# KiCad board Left.kicad_pcb (continued)
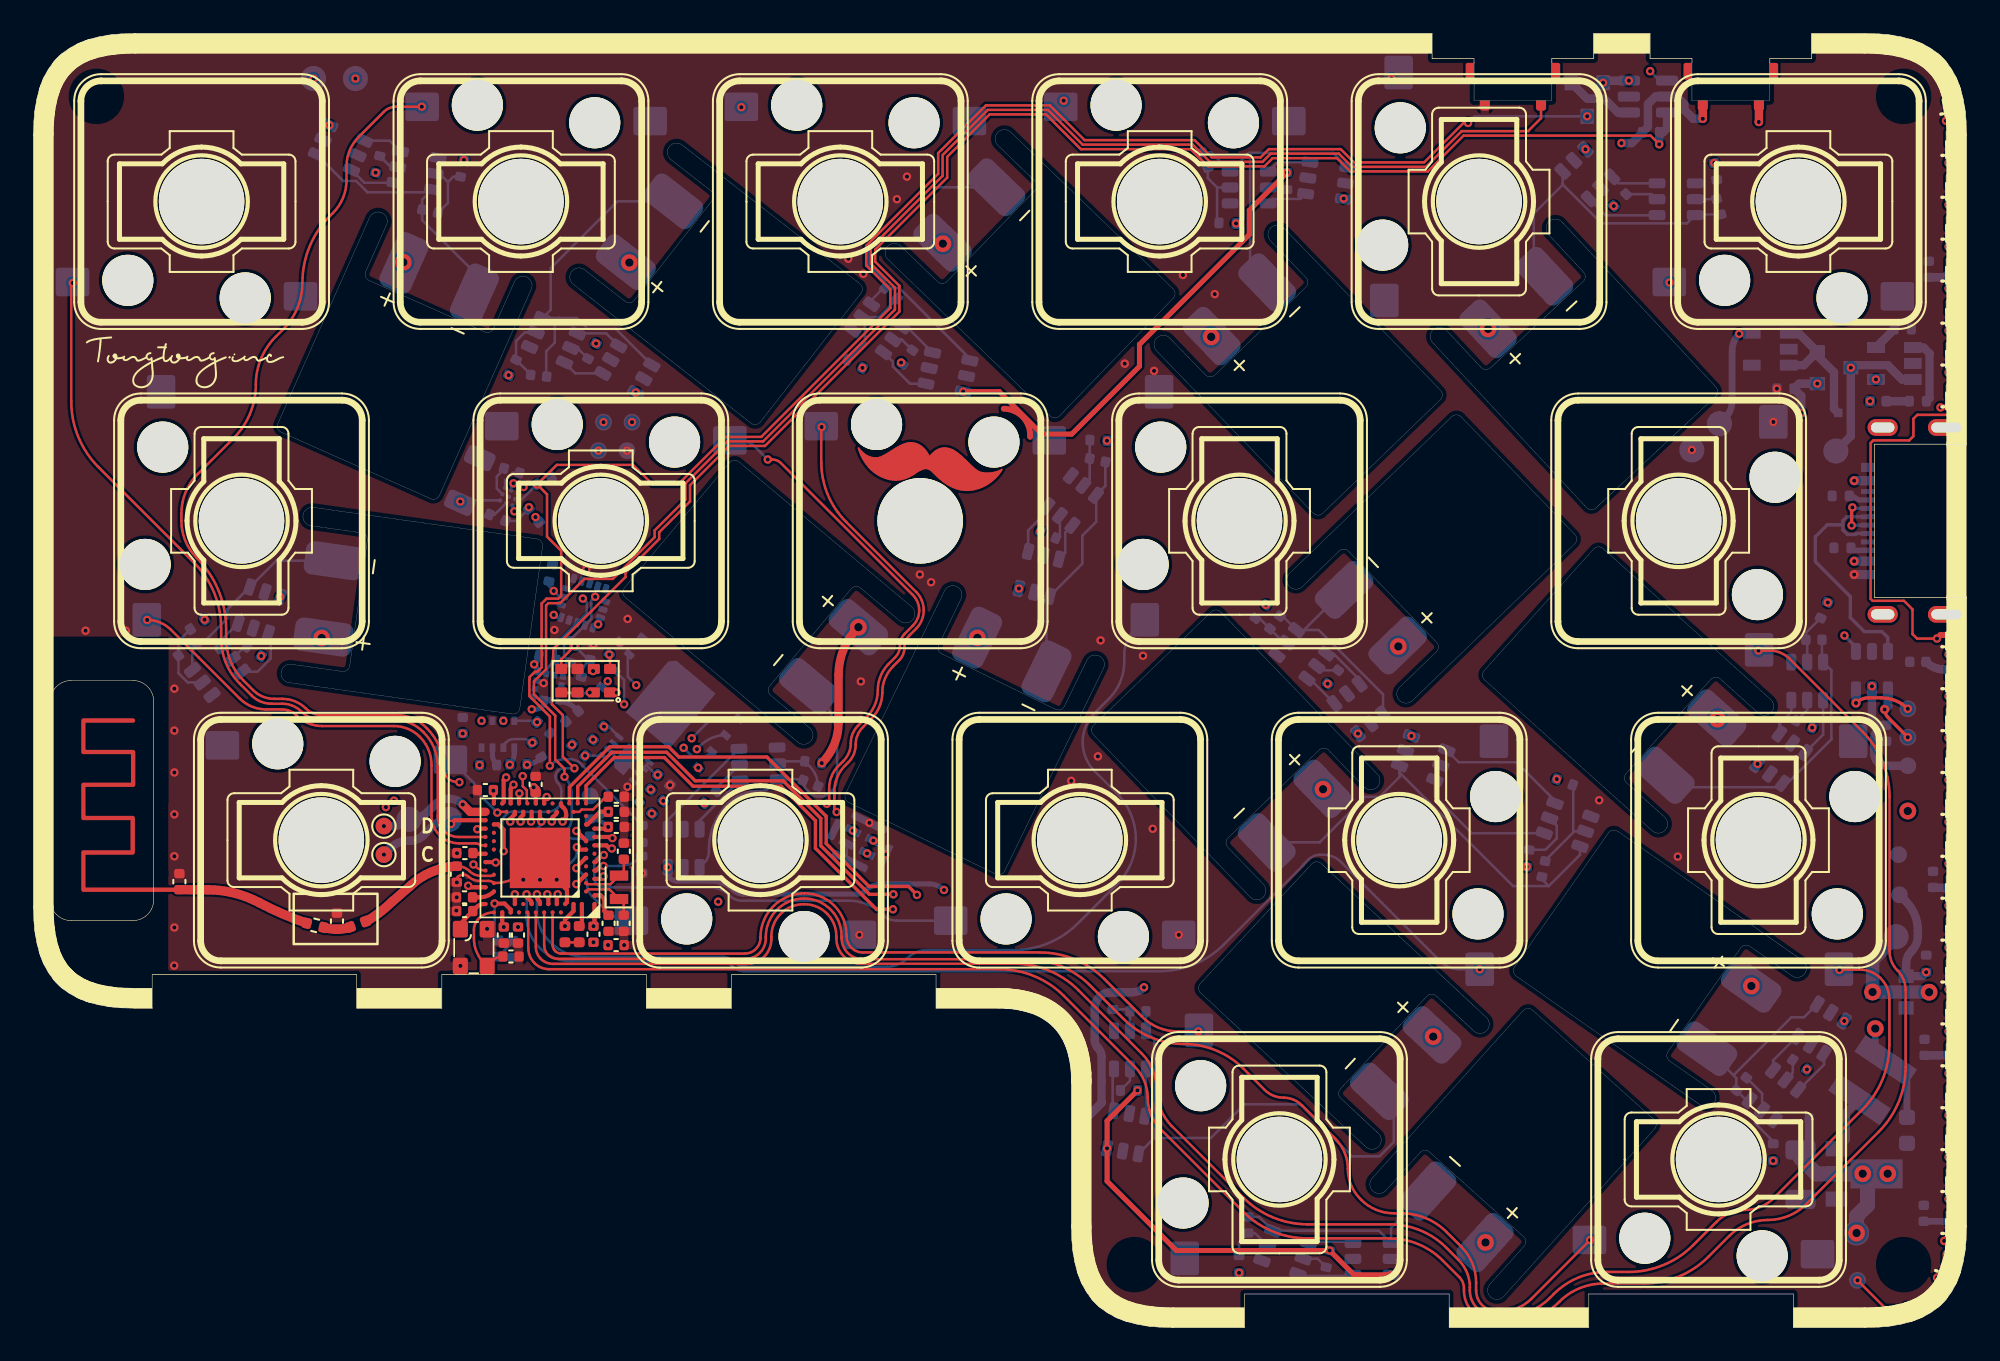
[diagram p0: board, top side]
## Routing (per net, layer and track width the routed paths; a pad name or vN(x,y) marks a point on that pad's centre or on a via; arc(x,y) is an arc through that point) (continued)
/MCU/D+: length 135
  Top w0.2: U30.AD6 31.96,32.23 34.37,34.64 37.89,34.64 38.5,34.03 43.75,34.03 47.28,30.5 47.28,28.87 49.84,26.31 52.19,26.31 v2(52.7,25.81) ; v2(111.8,35.21) 110.62,36.4 arc(110.47,36.61) v3(110.42,36.87)
  In1.Cu w0.2: v2(52.7,25.81) 55.98,22.53 arc(56.63,22.1) 57.39,21.94 57.85,21.94 arc(60.37,21.44) 62.51,20.01 62.7,19.83 arc(64.19,17.59) 64.72,14.94 arc(64.94,13.84) 65.56,12.91 66.68,11.8 arc(67.47,11.27) 68.4,11.08 arc(69.31,10.9) 70.07,10.39 71.08,9.38 arc(71.6,8.61) 71.78,7.69 arc(71.85,7.33) 72.06,7.03 72.08,7 arc(72.67,6.61) 73.36,6.47 75.38,6.47 arc(76.56,6.71) 77.57,7.38 88.59,19.23 arc(88.82,19.39) 89.1,19.44 89.15,19.44 arc(89.5,19.37) 89.8,19.17 89.85,19.12 97.24,12.47 arc(97.41,12.22) 97.47,11.92 97.47,9.1 arc(97.58,8.57) 97.88,8.11 98.72,7.27 arc(99.15,6.98) 99.66,6.88 101.51,6.88 arc(103.04,7.19) 104.34,8.06 108.76,12.48 arc(110.13,14.52) 110.61,16.93 110.61,32.34 arc(110.92,33.9) v2(111.8,35.21)
  Bottom w0.54: U28.4 110.61,37.06 v3(110.42,36.87)
/MCU/D-: length 129.6
  Top w0.2: v2(51.29,25.84) 49.86,25.84 46.96,28.74 46.96,30.37 44.72,32.61 39.47,32.61 37.76,34.32 34.5,34.32 32.46,32.28 U30.AD4 ; v3(108.71,37.26) arc(109.05,37.48) 109.45,37.56 110.23,37.56 arc(111.08,37.39) v2(111.8,36.91)
  In1.Cu w0.2: v2(111.8,36.91) 111.88,36.84 arc(112.29,36.22) 112.43,35.5 112.43,35.48 arc(112.34,35.02) 112.08,34.63 arc(111.27,33.42) 110.98,31.98 110.98,14.8 arc(110.56,12.69) 109.36,10.89 106.68,8.21 arc(104.75,6.93) 102.48,6.47 arc(101.09,6.2) 99.92,5.41 98.83,4.32 arc(97.68,3.55) 96.32,3.28 92.56,3.28 arc(91.79,3.13) 91.14,2.69 arc(89.58,1.65) 87.74,1.28 86.58,1.28 arc(85.93,1.55) 85.66,2.2 arc(85.55,2.77) 85.23,3.24 85,3.47 arc(83.13,4.72) 80.92,5.16 75.36,5.16 arc(73.36,5.56) 71.67,6.69 71.56,6.8 arc(71.35,7.11) 71.28,7.48 arc(71.11,8.36) 70.61,9.11 70.02,9.69 arc(69.31,10.17) 68.47,10.33 arc(67.34,10.56) 66.39,11.2 65.17,12.42 arc(64.39,13.58) 64.12,14.94 arc(63.65,17.3) 62.32,19.3 61.96,19.65 arc(60.15,20.86) 58.02,21.28 57.4,21.28 arc(56.32,21.5) 55.4,22.11 51.94,25.57 arc(51.64,25.77) v2(51.29,25.84)
  Bottom w0.54: U28.6 v3(108.71,37.26)
/MCU/PDM_CLK: length 21.1
  Top w0.25: U30.H2 32.94,27.01 32.38,26.46 v2(32.38,26.45)
  In1.Cu w0.15: v2(48.88,29.64) 48.88,29.08 arc(48.66,27.99) 48.05,27.07 47.7,26.72 arc(46.98,26.24) 46.13,26.07 arc(45.04,25.86) 44.12,25.24 43.89,25.01 arc(43.66,24.86) 43.38,24.8 43.09,24.8 arc(42.7,24.88) 42.37,25.1 41.63,25.84 arc(40.79,26.41) 39.79,26.6 38.79,26.6 arc(37.91,26.43) 37.17,25.93 arc(36.7,25.62) 36.16,25.51 34.65,25.51 arc(33.42,25.76) v2(32.38,26.45)
/MCU/PDM_DAT: length 20.7
  Top w0.25: U30.G1 33.85,26.76 v2(34,26.91)
  In1.Cu w0.15: v2(50.09,29.05) 50.09,29.06 49.16,29.99 arc(49.03,30.07) 48.88,30.1 48.71,30.1 arc(48.27,29.92) 48.09,29.48 48.09,29.46 arc(47.85,28.24) 47.16,27.21 47.03,27.08 arc(46.55,26.77) 45.99,26.65 45.9,26.65 arc(44.87,26.45) 44.01,25.87 43.7,25.56 arc(43.48,25.42) 43.22,25.36 43.11,25.36 arc(42.88,25.41) 42.68,25.54 42.36,25.87 arc(41.04,26.74) 39.49,27.05 38.85,27.05 arc(37.83,26.85) 36.97,26.27 arc(36.63,26.04) 36.22,25.96 35.65,25.96 arc(35,26.09) 34.46,26.46 v2(34,26.91)
/MCU/SWC: length 6.7
  Top w0.25: U30.AA24 25.12,30.26 v2(24.9,30.04)
  Bottom w0.5: v2(20.9,28.21) 21.28,28.59 arc(21.78,28.93) 22.37,29.04 22.49,29.04 arc(22.9,29.12) 23.24,29.35 23.78,29.89 arc(24.25,30.2) REF**#6.1
/MCU/SWD: length 6.9
  Top w0.5: U30.AC24 26.04,30.76 v2(25.6,31.2)
  Bottom w0.5: 25.55,31.25 v2(25.6,31.2) 25.6,31.21 arc(25.23,31.46) 24.79,31.54 arc(24.33,31.45) 23.94,31.19 23.53,30.78 arc(23.01,30.43) REF**#9.1 arc(21.96,30.02) 21.43,29.91 v2(20.9,29.91)
B1-: length 16.9
  Bottom w0.15: 91.21,68.2 Q3.1 ; 91.21,68.2 93.54,65.87 98.62,65.87 Q11.6 ; 91.21,68.2 91.21,68.17 89.49,66.45 89.49,63.35 ; C1.2 99.16,66.4
B2-: length 14.2
  Bottom w0.15: Q4.1 18.48,68.4 19.25,68.4 19.93,67.72 23.62,67.72 ; Q12.6 23.18,67.29 C2.2 23.18,66.06 26.3,62.95
B3-: length 19.8
  Bottom w0.15: B3.1 53.55,68.03 49.79,64.26 49.79,63.41 50.78,62.42 C3.2 51.65,62.01 55.85,57.81 ; 49.98,61.3 50.77,62.09
B4-: length 28
  Bottom w0.15: 66.86,11.31 70.22,11.31 72.23,13.31 75.54,13.31 78.64,10.21 80.29,10.21 81.14,11.06 81.14,13.23 ; 66.86,11.31 66.86,17.19 Q14.6 66.35,18.85 ; 66.86,11.31 Q6.1
B5-: length 12.5
  Bottom w0.15: Q7.1 80.5,37.77 76.66,41.61 Q15.6 74.51,42.44 ; 75.79,41.61 B5.1
B6-: length 16.8
  Bottom w0.15: 72.57,63.36 72.57,69.94 72.71,70.08 ; 72.71,70.08 77.52,70.08 Q8.1 ; 72.71,70.08 72.49,70.08 Q16.6 70.23,70.1 C6.2
B7-: length 15.9
  Bottom w0.15: C7.2 106.68,39.77 ; 104.61,32.46 107.24,35.1 107.24,39.21 Q17.6 ; 104.11,32.23 98.04,32.23
B8-: length 25.7
  Bottom w0.15: Q10.1 81.48,32.84 80.3,31.66 79.44,31.66 76.71,28.94 B8.1 ; 90.38,26.33 92.24,28.2 Q18.6 ; 90.38,26.33 88.26,26.33 81.48,33.11 ; 90.38,26.33 89.97,26.74
B9-: length 13.7
  Bottom w0.15: C9.2 63.94,50.22 Q23.6 ; Q19.1 62.56,45.57 62.56,47.24 63.39,48.07 63.39,49.63 ; B9.1 60.42,43.43
B10-: length 10.8
  Bottom w0.15: 101.37,15.08 101.57,14.88 C10.2 102.16,13.56 ; 101.37,15.08 B10.1 ; 101.37,15.08 101.43,15.08 104.85,18.5 105.61,18.5 Q20.1
B11-: length 13.2
  Bottom w0.15: B11.1 80.98,5.96 Q21.1 80.25,5.78 Q25.6 73.11,6.59 C11.2
B12-: length 23.6
  Bottom w0.15: 30.58,56.76 30.58,58.24 31.09,58.75 31.09,59.98 31.34,60.23 ; 31.34,60.23 32.4,60.23 33.05,59.58 34.73,59.58 Q22.1 ; 31.34,60.23 Q26.6 30.85,60.72 30.85,63.2 34.84,67.19 B12.1
B13-: length 12.3
  Bottom w0.15: 12.9,44.18 11.56,42.84 11.56,42.3 9.91,40.65 C13.2 ; Q30.6 9.48,40.6 ; B13.1 14.48,45.75 Q27.1
B14-: length 18.4
  Bottom w0.15: B14.1 46.83,37.67 arc(47.65,36.45) 47.93,35.02 47.93,32.75 arc(47.85,32.36) 47.63,32.02 47.49,31.88 arc(47.27,31.73) 47.01,31.68 46.77,31.68 arc(46.54,31.73) 46.34,31.86 46.15,32.05 arc(45.97,32.32) C14.2 ; Q28.1 40.03,27.76 arc(40.22,28.04) 40.29,28.38 40.29,28.54 arc(40.58,30.01) 41.42,31.26 arc(42.24,31.81) 43.21,32 43.36,32 arc(43.69,32.07) 43.97,32.26 Q31.6 45.84,32.7
B+: length 27.9
  Top w0.5: v1(49.2,41.78) arc(48.33,40.47) 48.02,38.93 48.02,36.09 arc(47.76,34.78) v2(47.02,33.67)
  In2.Cu w0.5: 100.7,41.77 100.74,41.73 103.36,41.73 arc(105.35,42.13) v2(107.03,43.25)
  Bottom w0.5: v2(62.51,12.2) 63.71,13.4 63.71,16.16 arc(63.66,16.43) 63.5,16.66 arc(63.35,16.89) 63.3,17.15 63.3,19.06 arc(63.57,19.72) 64.23,19.99 R14.1 65.52,19.99 arc(65.91,20.07) v2(66.24,20.29) ; 93.75,74.39 v2(95.16,74.39)
  vias: v1(17.19,41.13) v1(22.06,63.55) v1(35.54,63.53) v1(54.24,64.66) v1(56.3,41.14) v1(70.25,59.1) v1(76.92,32.11) v1(81.41,40.63) v1(83.49,17.35) v1(86.61,5.07) v1(86.76,59.58) v1(100.45,36.29) v1(102.47,20.37) v2(10.2,42.23) v2(19.2,74.51) v2(25.68,69.65) v2(28.34,56.82) v2(49.45,57.25) v2(64.03,52.91) v2(71.73,65.87) v2(71.91,3.26) v2(73.51,43.12) v2(90.86,32.72) v2(93.62,74.26) v2(100.26,69.48) v2(103.77,9.94)
CC1: length 1.2
  Bottom w0.3: J1.A5 108.94,49.37 arc(108.83,49.39) 108.74,49.45 arc(108.56,49.57) 108.35,49.61 R33.1
CC2: length 1.1
  Bottom w0.3: R34.1 108.55,46.37 J1.B5
P0.02: length 80.4
  Top w0.15: U30.A12 30.46,22.8 arc(30.52,22.49) 30.69,22.23 arc(30.96,22.05) 31.26,21.99 42.46,21.99 arc(43.32,22.35) 43.68,23.21 43.68,23.31 arc(44.35,24.93) 45.96,25.59 arc(47.54,24.94) 48.2,23.35 48.2,23.24 arc(48.57,22.35) 49.47,21.97 59.21,21.97 arc(61.29,21.56) 63.05,20.38 65.04,18.39 arc(66.68,17.3) 68.61,16.91 arc(70.54,16.53) 72.18,15.44 73.44,14.17 arc(73.95,13.83) 74.55,13.71 arc(75.15,13.59) 75.66,13.25 77.66,11.26 arc(78.21,10.43) 78.4,9.46 arc(78.59,8.49) 79.14,7.67 79.2,7.61 arc(80.09,7.02) 81.13,6.81 81.59,6.81 arc(83.05,6.52) 84.29,5.69 85.17,4.82 arc(85.82,3.84) 86.05,2.68 86.05,2.21 arc(86.41,1.33) 87.28,0.97 87.56,0.97 arc(88.53,1.17) 89.35,1.71 v2(92.85,5.21)
P0.03: length 57.9
  Top w0.25: U30.B13 30.21,25.34 arc(30.2,25.41) 30.16,25.47 30.11,25.51 arc(30.05,25.61) 30.03,25.72 v2(30.03,25.84)
  Bottom w0.15: K10.1 65.67,41.61 arc(65.22,40.93) 65.06,40.13 65.06,39.71 arc(64.82,38.52) 64.15,37.51 63.3,36.66 arc(62.77,35.87) 62.58,34.92 arc(62.77,33.98) 63.3,33.18 64.63,31.85 arc(65.46,30.61) 65.75,29.15 arc(65.46,27.68) 64.63,26.44 62.29,24.11 arc(60.53,22.93) 58.45,22.51 53.3,22.51 arc(52.65,22.39) 52.11,22.02 arc(51.56,21.65) 50.91,21.53 42.5,21.53 arc(42.12,21.6) 41.79,21.82 arc(41.47,22.04) 41.08,22.11 32.88,22.11 arc(31.79,22.33) 30.86,22.95 30.75,23.06 arc(30.22,23.86) 30.03,24.82 v2(30.03,25.84)
P0.06: length 24.5
  Top w0.25: v2(34.02,28.19) 33.97,28.19 arc(33.93,28.18) 33.89,28.15 33.51,27.78 arc(33.5,27.77) 33.48,27.76 U30.L1
  Bottom w0.15: K14.2 51.5,24.28 arc(51.02,24.37) 50.61,24.64 arc(49.7,25.25) 48.63,25.46 42.26,25.46 arc(41.85,25.54) 41.51,25.77 arc(40.98,26.13) 40.35,26.25 34.03,26.25 arc(33.62,26.42) 33.45,26.83 33.45,27.62 arc(33.61,28.02) 34.01,28.19 v2(34.02,28.19)
P0.07: length 5.7
  Top w0.25: v2(32.38,27.4) 32.38,27.43 arc(32.38,27.45) 32.4,27.47 32.93,28.01 arc(32.94,28.01) 32.95,28.01 U30.M2
  Bottom w0.15: v2(32.38,27.4) 32.79,26.99 arc(32.97,26.73) 33.03,26.41 arc(33.11,26.03) 33.32,25.71 34.12,24.91 arc(34.83,24.44) K13.2
P0.09: length 84.8
  Top w0.25: U30.L24 27.54,27.76 arc(27.55,27.76) 27.56,27.75 v2(27.57,27.74)
  In1.Cu w0.15: v2(42.22,72.8) 42.22,72.92 arc(42.2,73.03) 42.14,73.13 40.96,74.3 arc(39.57,75.23) 37.93,75.55 26.83,75.55 arc(24.74,75.14) 22.98,73.96 19.55,70.53 arc(18.67,69.21) 18.36,67.65 arc(18.05,66.1) 17.17,64.78 16.4,64.02 arc(15.64,62.87) 15.37,61.51 arc(15.08,60.06) 14.26,58.83 13.4,57.97 arc(12.31,56.34) 11.93,54.42 11.93,54.04 arc(11.6,52.37) 10.65,50.96 arc(9.71,49.54) 9.38,47.88 9.38,43.64 arc(9.79,41.56) 10.97,39.79 12.22,38.55 arc(13.28,37.84) 14.52,37.59 15.26,37.59 arc(15.83,37.48) 16.31,37.16 arc(16.7,36.9) 17.16,36.8 21.98,36.8 arc(22.87,36.63) 23.62,36.12 23.65,36.09 arc(24.18,35.31) 24.36,34.38 24.36,34.13 24.36,29.83 arc(24.41,29.56) 24.57,29.32 arc(24.8,29.17) 25.08,29.11 25.49,29.11 arc(26.15,28.98) 26.7,28.61 v2(27.57,27.74)
P0.10: length 103.9
  Top w0.15: v2(26.24,27.62) 26.35,27.52 arc(26.63,27.33) U30.J24
  In1.Cu w0.15: v2(26.24,27.62) 26.23,27.64 26.23,28.29 26.18,28.45 26.1,28.6 26.05,28.66 25.98,28.72 25.85,28.79 25.83,28.8 25.6,28.84 25.37,28.84 25.37,28.84 25.2,28.84 25.19,28.84 24.95,28.84 24.7,28.91 24.47,29.04 24.46,29.05 24.45,29.05 24.38,29.13 24.3,29.2 24.3,29.21 24.28,29.23 24.16,29.45 24.09,29.7 24.08,29.94 24.09,29.95 24.09,34.32 24.09,34.47 24.05,34.76 23.97,35.04 23.86,35.32 23.71,35.57 23.53,35.81 23.43,35.91 23.34,36.01 23.13,36.17 22.9,36.3 22.65,36.4 22.4,36.47 22.14,36.5 22.01,36.5 17.13,36.5 17.02,36.51 16.82,36.54 16.62,36.6 16.44,36.7 16.27,36.82 16.11,36.97 15.92,37.11 15.72,37.21 15.49,37.28 15.26,37.32 15.15,37.32 14.41,37.32 14.23,37.33 13.87,37.37 13.51,37.45 13.16,37.57 12.83,37.73 12.52,37.92 12.24,38.15 12.11,38.28 10.7,39.68 10.54,39.85 10.23,40.22 9.96,40.6 9.72,41.02 9.52,41.45 9.36,41.89 9.24,42.35 9.15,42.82 9.11,43.29 9.11,43.53 9.11,47.99 9.11,48.2 9.15,48.63 9.24,49.05 9.36,49.46 9.52,49.85 9.73,50.23 9.96,50.59 10.23,50.92 10.53,51.22 10.8,51.55 11.04,51.91 11.24,52.28 11.41,52.68 11.53,53.09 11.61,53.51 11.66,53.93 11.66,54.15 11.66,54.53 11.66,54.76 11.7,55.22 11.78,55.68 11.9,56.12 12.06,56.55 12.25,56.97 12.48,57.37 12.75,57.75 13.05,58.1 13.21,58.27 14.06,59.12 14.2,59.27 14.45,59.58 14.66,59.91 14.83,60.27 14.96,60.65 15.05,61.03 15.1,61.43 15.1,61.82 15.15,62.22 15.23,62.61 15.37,62.98 15.54,63.34 15.75,63.67 16,63.99 16.14,64.13 16.9,64.89 17.04,65.03 17.29,65.34 17.51,65.67 17.7,66.03 17.85,66.4 17.97,66.78 18.05,67.17 18.09,67.57 18.09,67.77 18.09,67.97 18.13,68.36 18.21,68.76 18.32,69.14 18.48,69.51 18.67,69.86 18.89,70.19 19.14,70.5 19.28,70.64 19.28,70.65 22.85,74.22 23.02,74.38 23.39,74.7 23.79,74.98 24.21,75.22 24.65,75.42 25.11,75.59 25.58,75.71 26.05,75.8 26.54,75.84 26.78,75.84 55.05,75.84 55.35,75.84 55.94,75.8 56.53,75.73 57.11,75.61 57.68,75.46 58.24,75.27 58.79,75.04 59.32,74.78 59.83,74.48 60.32,74.15 60.79,73.79 61.24,73.4 v2(61.45,73.19)
P0.13: length 153.1
  Top w0.25: U30.AD8 31.46,31.21 arc(31.47,31.17) 31.5,31.13 31.62,31.01 arc(31.73,30.84) 31.77,30.63 31.77,30.54 arc(31.74,30.4) 31.67,30.29 v2(31.56,30.18)
  In1.Cu w0.15: v2(21.5,31.43) 21.96,31.43 arc(22.38,31.52) 22.74,31.76 22.99,32 arc(23.32,32.5) 23.44,33.1 23.44,34.45 arc(23.01,35.49) 21.97,35.91 17.02,35.91 arc(16.45,36.03) 15.97,36.35 arc(15.49,36.67) 14.92,36.78 14.19,36.78 arc(12.94,37.03) 11.88,37.74 10.16,39.46 arc(8.98,41.22) 8.57,43.31 8.57,48.21 arc(8.9,49.88) 9.84,51.29 arc(10.79,52.7) 11.12,54.37 11.12,54.76 arc(11.52,56.78) 12.67,58.49 13.52,59.35 arc(14.29,60.5) 14.56,61.85 arc(14.83,63.2) 15.6,64.35 16.36,65.11 arc(17.24,66.43) 17.55,67.99 arc(17.87,69.62) 18.8,71 22.55,74.75 arc(24.42,76) 26.63,76.44 78.18,76.44 arc(80.02,76.08) 81.58,75.03 85.14,71.48 arc(85.88,70.98) 86.76,70.8 arc(88.45,70.47) 89.88,69.51 96.67,62.73 arc(97.09,62.44) v2(97.59,62.34)
  In2.Cu w0.15: v2(31.56,30.18) arc(31.51,30.46) 31.35,30.69 31.25,30.79 arc(30.95,30.99) 30.59,31.06 29.3,31.06 arc(29.07,31.11) 28.88,31.24 arc(28.57,31.44) 28.21,31.51 27.38,31.51 arc(27.01,31.44) 26.69,31.23 26.12,30.66 arc(25.99,30.57) 25.83,30.54 25.72,30.54 arc(25.59,30.56) 25.47,30.64 arc(25.25,30.79) 24.99,30.84 22.94,30.84 arc(22.16,30.99) v2(21.5,31.43)
P0.14: length 131.6
  Top w0.25: v2(30.91,30.18) 30.91,30.28 arc(30.93,30.38) 30.99,30.46 31.18,30.66 arc(31.2,30.69) 31.21,30.72 U30.AC9
  In1.Cu w0.15: 21.11,30.99 arc(21.08,31) 21.04,31.02 v2(21.02,31.05) arc(21.2,30.93) 21.41,30.88 21.42,30.88 arc(22.39,31.08) 23.21,31.63 arc(23.62,32.23) 23.76,32.95 23.76,34.45 arc(23.63,35.12) 23.25,35.68 arc(22.66,36.08) 21.97,36.21 17.06,36.21 arc(16.53,36.32) 16.08,36.62 arc(15.6,36.94) 15.04,37.05 14.3,37.05 arc(13.05,37.3) 12,38.01 10.43,39.57 arc(9.25,41.34) 8.84,43.42 8.84,48.1 arc(9.17,49.77) 10.11,51.18 arc(11.06,52.59) 11.39,54.26 11.39,54.64 arc(11.79,56.67) 12.94,58.38 13.79,59.24 arc(14.56,60.38) 14.83,61.74 arc(15.1,63.09) 15.87,64.24 16.63,65 arc(17.51,66.32) 17.82,67.88 arc(18.14,69.48) 19.05,70.84 22.61,74.4 arc(24.54,75.69) 26.81,76.14 77.06,76.14 arc(79.19,75.72) v2(81,74.51)
  In2.Cu w0.15: v2(30.91,30.18) 30.91,30.44 arc(30.9,30.52) 30.85,30.59 arc(30.71,30.68) 30.55,30.71 29.18,30.71 arc(28.92,30.77) 28.7,30.91 arc(28.42,31.1) 28.1,31.16 27.69,31.16 arc(27.17,31.06) 26.72,30.76 26.39,30.43 arc(26.1,30.23) 25.75,30.16 25.66,30.16 arc(25.47,30.2) 25.3,30.31 25.26,30.35 arc(25.08,30.47) 24.88,30.51 22.3,30.51 arc(21.61,30.65) v2(21.02,31.05)
P0.24: length 61.5
  Top w0.15: v2(23.16,72.83) 21.62,72.83 arc(21.23,72.76) 20.9,72.53 19.39,71.02 arc(18.86,70.23) 18.67,69.28 18.67,68.45 arc(18.46,67.39) 17.86,66.49 17.69,66.33 arc(16.47,64.5) 16.04,62.33 arc(15.74,60.83) 14.89,59.55 14.44,59.1 arc(13.57,57.8) 13.26,56.25 arc(12.92,54.53) 11.94,53.06 9.8,50.92 arc(9.07,49.84) 8.82,48.56 8.82,48.12 arc(9.06,46.93) 9.73,45.92 arc(11.03,43.97) 11.49,41.67 11.49,41.07 arc(11.75,39.74) 12.51,38.62 13.1,38.03 arc(13.68,37.64) 14.36,37.5 14.85,37.5 arc(15.61,37.35) 16.25,36.92 arc(16.67,36.64) 17.17,36.54 21.62,36.54 arc(22.59,36.35) 23.41,35.8 23.48,35.73 arc(24.2,34.66) 24.45,33.39 arc(24.7,32.79) 25.31,32.53 v2(25.4,32.53)
  Top w0.25: v2(28.63,32.38) 28.55,32.3 arc(28.48,32.21) 28.46,32.09 U30.AD20
  In2.Cu w0.15: v2(25.4,32.53) 27.51,32.53 arc(27.67,32.5) 27.8,32.41 arc(27.91,32.34) 28.04,32.31 28.46,32.31 arc(28.55,32.33) v2(28.63,32.38)
P0.25: length 4.8
  Top w0.15: U30.AC21 27.71,30.76 v2(27.66,30.72)
  Bottom w0.15: K12.2 26.25,32.49 arc(26.35,32.35) 26.38,32.18 arc(26.41,32.02) 26.51,31.87 v2(27.66,30.72)
P0.28: length 53.6
  Top w0.15: v2(47.91,30.75) 47.84,30.82 arc(47.78,30.9) 47.77,30.99 47.77,31.98 arc(47.93,32.81) 48.4,33.52 48.61,33.72 arc(48.93,34.2) 49.04,34.77 arc(49.15,35.34) 49.47,35.82 49.98,36.33 arc(50.46,37.04) 50.63,37.89 arc(50.8,38.73) 51.28,39.45 51.64,39.82 arc(51.87,40.16) 51.95,40.56 arc(52.03,40.96) 52.26,41.3 52.64,41.69 arc(52.98,42.19) 53.1,42.79 arc(52.98,43.39) 52.64,43.89 48.46,48.07 arc(47.37,49.7) 46.99,51.62 46.99,53.69 arc(46.99,53.7) 47,53.71 v2(47.01,53.72)
  Top w0.25: v2(30.65,25.84) 30.68,25.81 arc(30.7,25.78) 30.71,25.73 U30.B11
  In2.Cu w0.15: v2(30.65,25.84) 30.65,25.45 arc(30.6,25.23) 30.47,25.04 arc(30.25,24.71) 30.17,24.31 30.17,23.64 arc(30.29,23.04) 30.63,22.53 30.97,22.19 arc(31.64,21.74) 32.42,21.59 39.15,21.59 arc(41.44,22.04) 43.38,23.34 46.24,26.2 arc(47.06,27.43) 47.35,28.89 47.35,29.41 arc(47.49,30.14) v2(47.91,30.75)
P0.29: length 46.4
  Top w0.15: v2(69.48,17.66) 68.24,17.66 arc(67.09,17.89) 66.12,18.54 63.88,20.78 arc(62.12,21.96) 60.04,22.37 49.47,22.37 arc(48.78,22.66) 48.5,23.34 48.5,23.39 arc(47.76,25.17) 45.99,25.9 arc(44.13,25.13) 43.36,23.27 43.36,23.24 arc(43.09,22.58) 42.43,22.31 31.48,22.31 arc(31.28,22.35) 31.11,22.46 arc(31,22.63) 30.96,22.83 U30.A10
P0.30: length 54
  Top w0.15: v2(47.32,31.24) 47.39,31.31 arc(47.44,31.39) 47.46,31.48 47.46,32.17 arc(47.6,32.89) 48.02,33.51 48.32,33.81 arc(48.64,34.29) 48.75,34.86 arc(48.86,35.43) 49.18,35.91 49.7,36.43 arc(50.19,37.16) 50.36,38.01 arc(50.53,38.87) 51.02,39.6 51.38,39.97 arc(51.6,40.3) 51.68,40.68 arc(51.76,41.07) 51.98,41.4 52.45,41.88 arc(52.73,42.29) 52.83,42.79 arc(52.73,43.28) 52.45,43.7 44.57,51.58 arc(44.35,51.73) 44.09,51.78 v2(43.8,51.78)
  Top w0.25: U30.B9 31.21,25.75 arc(31.22,25.79) 31.24,25.82 v2(31.27,25.84)
  In2.Cu w0.15: v2(31.27,25.84) 31.27,25.31 arc(31.21,25.03) 31.05,24.79 arc(30.9,24.57) 30.85,24.31 30.85,23.79 arc(30.94,23.35) 31.19,22.98 31.62,22.54 arc(31.93,22.33) 32.29,22.26 39.06,22.26 arc(41.15,22.68) 42.93,23.86 45.63,26.57 arc(46.44,27.78) 46.72,29.21 46.72,29.8 arc(46.88,30.58) v2(47.32,31.24)
  Bottom w0.15: K8.2 42.1,52.93 arc(42.62,52.82) 43.05,52.53 v2(43.8,51.78)
P1.04: length 48.1
  Top w0.15: U30.U24 25.36,29.26 arc(24.88,29.36) 24.47,29.63 arc(24.2,30.03) 24.11,30.5 24.11,33.48 arc(23.89,34.57) 23.28,35.5 23.22,35.55 arc(22.46,36.06) 21.55,36.24 17.19,36.24 arc(16.53,36.37) 15.98,36.74 arc(15.46,37.09) 14.85,37.21 14.2,37.21 arc(13.55,37.34) 13.01,37.71 12.31,38.41 arc(11.48,39.64) 11.19,41.1 11.19,41.74 arc(10.77,43.84) 9.58,45.62 3.88,51.33 arc(2.67,53.13) 2.25,55.25 2.25,62.1 arc(2.27,62.21) v2(2.34,62.31)
P1.06: length 27.8
  Top w0.15: U30.R24 26.66,28.76 arc(26.65,28.77) 26.64,28.77 arc(26.52,28.85) 26.37,28.88 25.39,28.88 arc(24.22,29.37) 23.74,30.53 23.74,33.55 arc(23.56,34.47) 23.04,35.24 arc(22.33,35.72) 21.49,35.88 17.21,35.88 arc(16.39,36.05) 15.69,36.51 arc(15.29,36.78) 14.82,36.87 13.88,36.87 arc(13.02,37.04) 12.29,37.53 8.2,41.63 arc(7.55,42.06) v2(6.78,42.21)